# Allegro board FEE5_10_30.brd (continued)
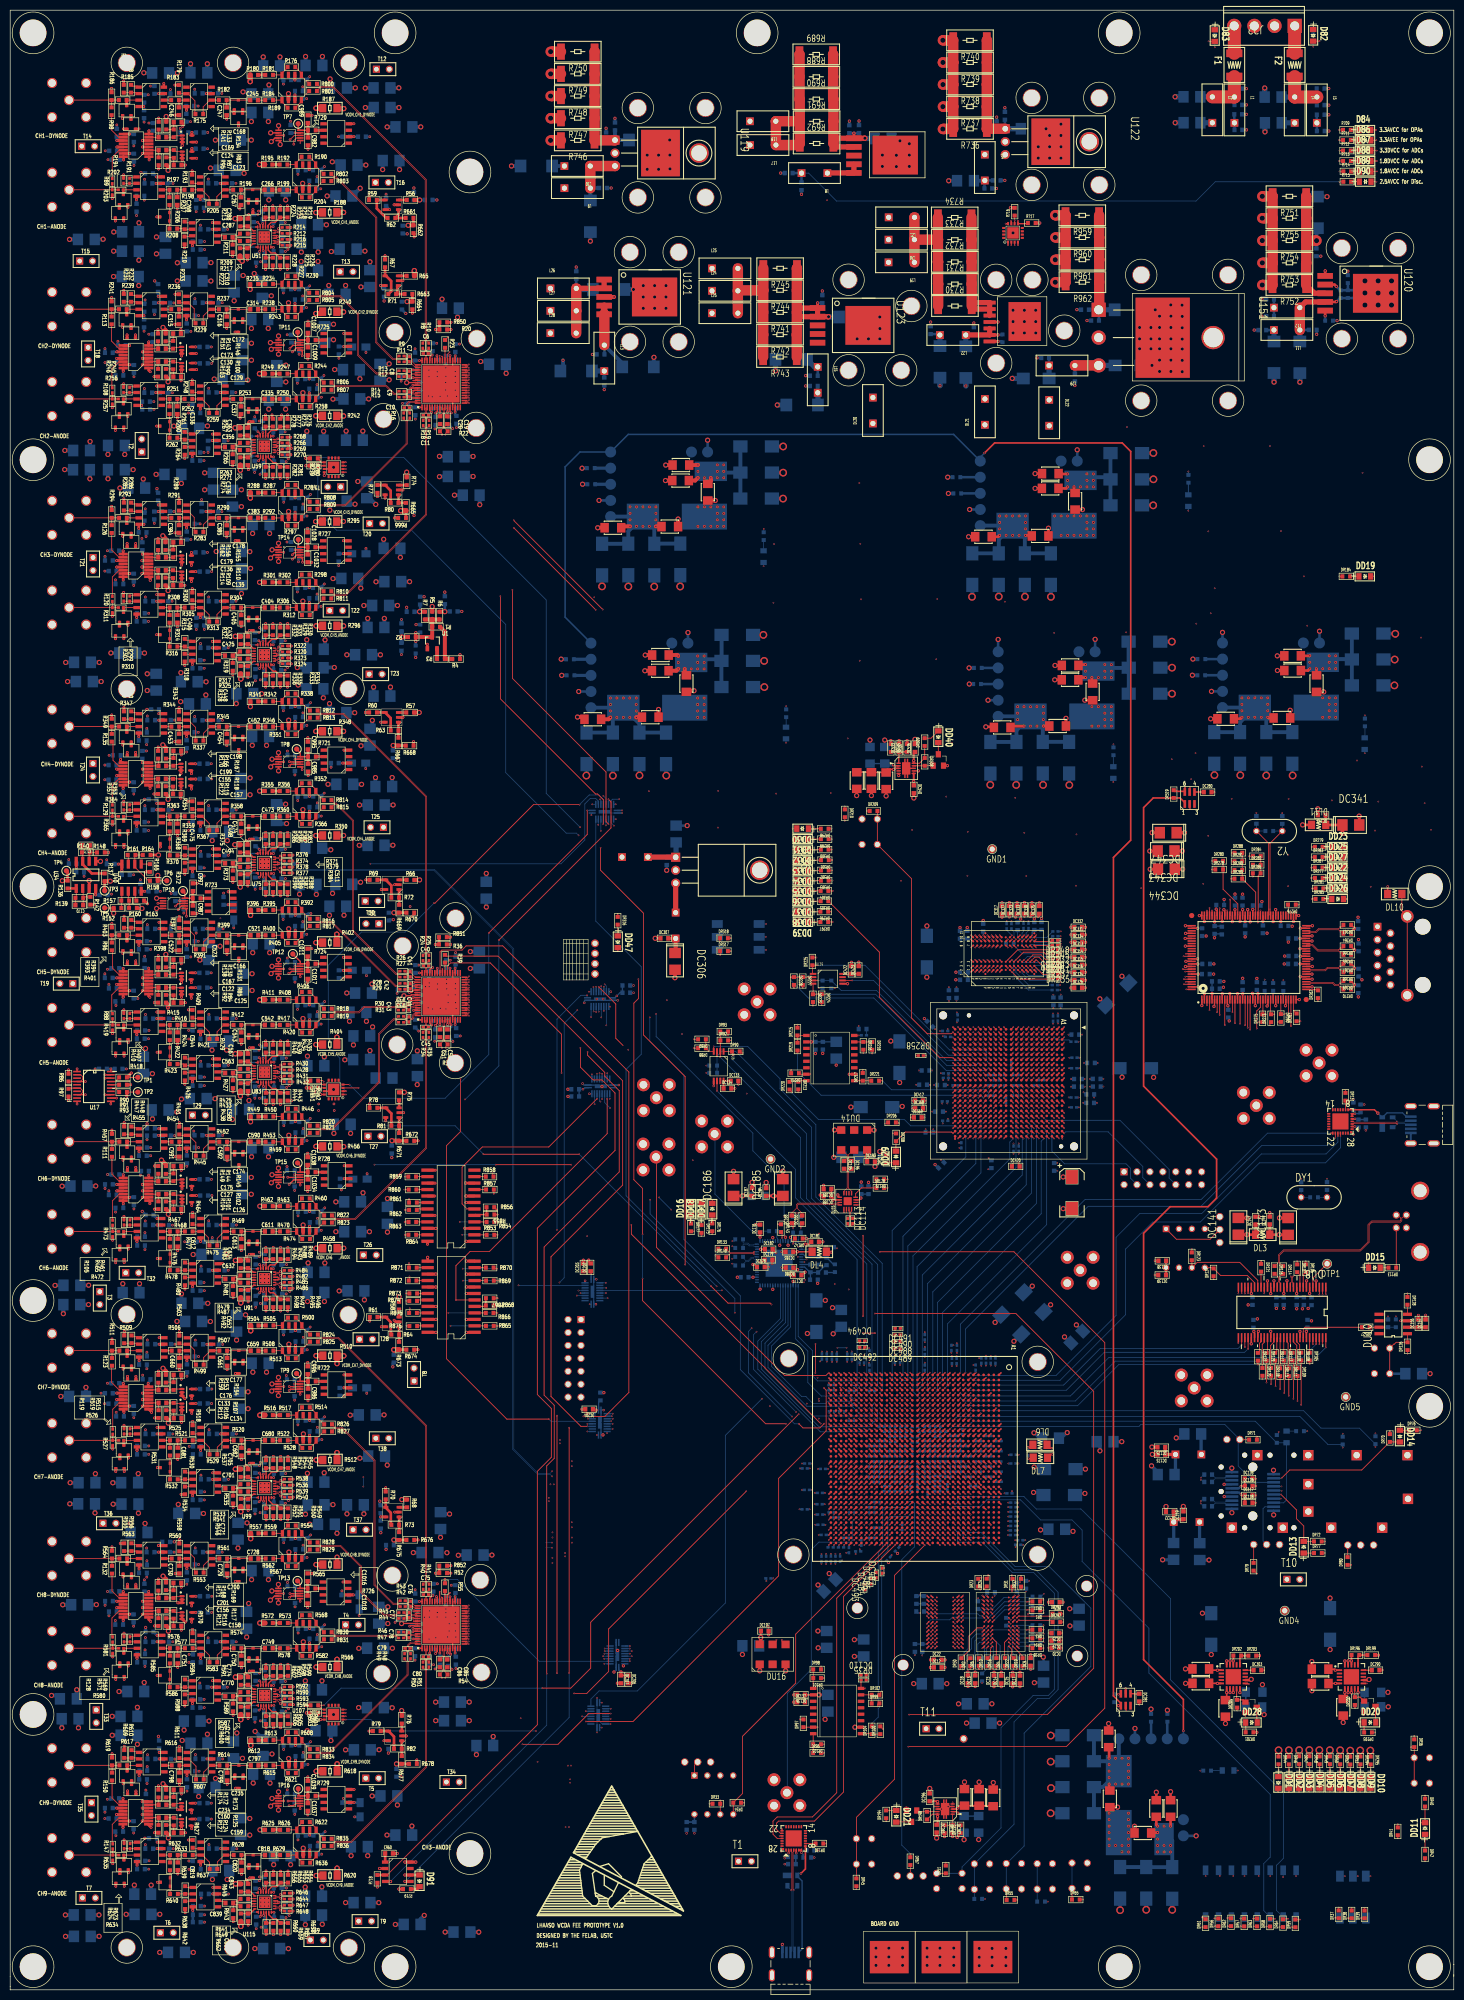
[diagram p0: board, top side]
## Routing (per net, layer and track width the routed paths; a pad name or vN(x,y) marks a point on that pad's centre or on a via; arc(x,y) is an arc through that point) (continued)
ADC_P_DCO2: length 168.3
  TOP w0.102: U3.24 89.39,194.7 89.97,194.7 v1(90.12,194.86) ; v1(163.79,93.32) DU4.AL28
  S4 w0.102: v1(105.81,96.62) 105.58,96.39 103.35,96.39 94.42,105.32 94.42,160.21 94.4,160.22 94.4,160.52 94.42,160.53 94.42,191.41 91.15,194.67 90.31,194.67 v1(90.12,194.86)
  S5 w0.102: v1(105.81,96.62) 106,96.43 147.65,96.43 151.14,92.93 163.4,92.93 v1(163.79,93.32)
ADC_P_DCO3: length 88.1
  TOP w0.102: U4.24 89.38,71.28 89.93,71.28 90.05,71.4 v1(90.07,71.4) ; 167.85,92.38 167.81,92.34 ; 167.85,92.38 DU4.AG29 ; 167.85,92.38 v1(167.83,92.38)
  S3 w0.102: v1(90.07,71.4) 90.21,71.26 90.74,71.26 125.16,71.26 145.86,91.96 167.41,91.96 v1(167.83,92.38)
ADC_P_FCO1: length 242.7
  TOP w0.102: v1(90.12,316.14) 90.11,316.14 89.92,315.95 89.39,315.95 U2.26 ; DU4.AJ6 166.22,115.77 v1(165.86,116.13)
  S5 w0.102: v1(90.12,316.14) 90.34,315.92 92.46,315.92 103.17,305.21 103.17,164.43 149.8,117.81 163.87,117.81 164.31,117.37 164.31,117.15 164.86,116.59 165.4,116.59 v1(165.86,116.13)
ADC_P_FCO2: length 168.4
  TOP w0.102: v1(90.13,195.83) 90.01,195.71 89.37,195.71 U3.26 ; v1(163.82,91.29) 164.22,91.69 DU4.AL30
  S4 w0.102: v1(90.13,195.83) 90.24,195.71 92.75,195.71 92.93,195.71 96.77,191.87 96.77,106.81 107.69,95.89 130.48,95.89 134.44,91.93 162.96,91.93 163.6,91.29 v1(163.82,91.29)
ADC_P_FCO3: length 87
  TOP w0.102: DU4.AH28 167.22,93.74 166.82,93.34 v1(166.82,93.33) ; v1(90.07,72.4) 90.05,72.4 89.92,72.28 89.38,72.28 U4.26
  S3 w0.102: v1(166.82,93.33) 166.43,92.95 159.89,92.95 159.86,92.92 142.33,92.92 121.67,72.26 90.21,72.26 90.2,72.27 v1(90.07,72.4)
ADCIN_ANODE_N_CH1: length 42.9
  TOP w0.102: R9.2 76.31,320.82 75.85,320.36 75.19,320.36 72.03,323.52 72.03,348.06 64.09,356 63.66,356 63.09,356.57 R802.2
ADCIN_ANODE_N_CH2: length 14.3
  TOP w0.102: R14.2 76.33,313.91 75.89,313.47 75.49,313.47 73.96,315 63.71,315 R806.2
ADCIN_ANODE_N_CH3: length 42.9
  TOP w0.102: R18.2 81.13,307.14 81.6,306.68 81.6,289.74 65.92,274.05 63.66,274.05 R810.2
ADCIN_ANODE_N_CH4: length 40.4
  TOP w0.102: R26.2 76.08,199.57 75.87,199.57 67.48,207.96 67.48,229.61 64.06,233.04 63.68,233.04 63.12,233.59 R814.2
ADCIN_ANODE_N_CH5: length 14
  TOP w0.102: R818.2 63.17,192.56 63.68,192.05 68.44,192.05 69.51,193.12 75.72,193.12 76.16,193.56 R30.2
ADCIN_ANODE_N_CH6: length 46.3
  TOP w0.102: R822.2 63.79,151.47 67.72,151.47 81.59,165.34 81.59,186.49 81.1,186.98 R34.2
ADCIN_ANODE_N_CH7: length 42.5
  TOP w0.102: R43.2 76.09,75.92 75.27,75.92 71.68,79.52 71.68,103.99 65.22,110.44 63.8,110.44 63.21,111.03 R826.2
ADCIN_ANODE_N_CH8: length 13.8
  TOP w0.102: R46.2 76.28,70.02 75.9,69.63 63.74,69.63 R830.2
ADCIN_ANODE_N_CH9: length 44.6
  TOP w0.102: R50.2 81.1,63.32 81.61,62.81 81.61,43.81 66.88,29.08 63.7,29.08 63.15,29.63 R835.2
ADCIN_ANODE_P_CH1: length 42.8
  TOP w0.102: R803.2 63.6,355.69 64.09,355.69 71.81,347.97 71.81,323.43 75.1,320.14 75.87,320.14 76.34,319.67 R11.2
ADCIN_ANODE_P_CH2: length 14.4
  TOP w0.102: R807.2 63.12,314.22 63.69,314.79 73.87,314.79 75.4,313.26 75.83,313.26 76.34,312.74 R15.2
ADCIN_ANODE_P_CH3: length 43.3
  TOP w0.102: R811.2 63.09,273.21 63.19,273.31 63.19,273.35 63.68,273.84 66.01,273.84 81.81,289.65 81.81,306.69 R19.2
ADCIN_ANODE_P_CH4: length 40.4
  TOP w0.102: R815.2 63.73,232.82 63.97,232.82 67.27,229.52 67.27,207.87 75.78,199.35 76.02,199.35 76.51,198.86 R27.2
ADCIN_ANODE_P_CH5: length 14
  TOP w0.102: R819.2 63.17,191.29 63.71,191.83 68.53,191.83 69.6,192.9 75.67,192.9 76.19,192.38 R31.2
ADCIN_ANODE_P_CH6: length 46.6
  TOP w0.102: R823.2 63.23,150.66 63.83,151.25 67.81,151.25 81.8,165.25 81.8,186.49 82.26,186.94 R35.2
ADCIN_ANODE_P_CH7: length 42.5
  TOP w0.102: R42.2 76.15,75.7 75.18,75.7 71.46,79.43 71.46,103.9 65.13,110.23 63.75,110.23 63.22,109.69 R827.2
ADCIN_ANODE_P_CH8: length 13.6
  TOP w0.102: R831.2 63.16,68.86 63.72,69.42 76,69.42 76.29,69.12 R47.2
ADCIN_ANODE_P_CH9: length 44.9
  TOP w0.102: R836.2 63.14,28.31 63.7,28.86 66.97,28.86 81.82,43.72 81.82,62.81 82.25,63.24 R51.2
ADCIN_DYNODE_N_CH1: length 61.6
  TOP w0.102: R10.2 82.22,323.43 81.74,323.91 81.74,324.03 81.74,324.12 81.74,355.48 63.52,373.7 61.11,373.7 60.84,373.7 60.28,374.27 R800.2
ADCIN_DYNODE_N_CH2: length 27.5
  TOP w0.102: R804.2 60.85,332.65 64.87,332.65 68.41,329.1 68.41,321.08 72,317.49 75.87,317.49 76.31,317.93 R13.2
ADCIN_DYNODE_N_CH3: length 27.9
  TOP w0.102: R808.2 60.35,292.17 60.91,291.6 65.75,291.6 77.77,303.63 77.77,308.03 77.31,308.5 R17.2
ADCIN_DYNODE_N_CH4: length 59.8
  TOP w0.102: R812.2 60.99,250.62 65.55,250.62 81.82,234.35 81.82,203.61 82.26,203.17 R25.2
ADCIN_DYNODE_N_CH5: length 21.8
  TOP w0.102: R28.2 76.44,197.63 76.02,197.21 75.74,197.21 63.23,209.73 60.97,209.73 R816.2
ADCIN_DYNODE_N_CH6: length 30.8
  TOP w0.102: R32.2 75.8,190.67 75.28,190.67 72.35,187.74 72.35,178.26 63.18,169.09 60.98,169.09 R820.2
ADCIN_DYNODE_N_CH7: length 60.1
  TOP w0.102: R824.2 60.44,128.64 61,128.08 64.54,128.08 81.83,110.79 81.83,80.14 82.29,79.68 R41.2
ADCIN_DYNODE_N_CH8: length 25
  TOP w0.102: R45.2 76.3,74.08 75.84,73.62 73.54,73.62 69,78.16 69,83.2 64.95,87.26 60.93,87.26 60.38,87.81 R828.2
ADCIN_DYNODE_N_CH9: length 27.5
  TOP w0.102: R49.2 77.48,64.89 77.95,64.41 77.95,61.88 62.73,46.66 60.94,46.66 60.39,47.21 R833.2
ADCIN_DYNODE_P_CH1: length 61.3
  TOP w0.102: R801.2 60.26,372.9 60.84,373.49 61.11,373.49 63.43,373.49 81.52,355.39 81.52,324.12 81.52,324.03 81.52,323.91 81.05,323.44 R8.2
ADCIN_DYNODE_P_CH2: length 27.5
  TOP w0.102: R12.2 75.86,317.27 71.91,317.27 68.19,320.99 68.19,329.02 64.78,332.43 60.87,332.43 R805.2
ADCIN_DYNODE_P_CH3: length 28.2
  TOP w0.102: R809.2 60.35,290.83 60.91,291.39 65.84,291.39 77.99,303.54 77.99,308.02 78.49,308.52 R16.2
ADCIN_DYNODE_P_CH4: length 59.5
  TOP w0.102: R24.2 81.1,203.13 81.61,203.64 81.61,234.26 65.46,250.4 60.97,250.4 60.41,249.83 R813.2
ADCIN_DYNODE_P_CH5: length 21.8
  TOP w0.102: R29.2 76.52,196.47 75.99,196.99 75.65,196.99 63.14,209.51 60.96,209.51 60.39,208.94 R817.2
ADCIN_DYNODE_P_CH6: length 30.9
  TOP w0.102: R821.2 60.38,168.33 60.93,168.88 63.27,168.88 72.57,178.17 72.57,187.65 75.37,190.46 75.8,190.46 75.8,190.46 R33.2
ADCIN_DYNODE_P_CH7: length 59.8
  TOP w0.102: R825.2 60.44,127.33 60.98,127.86 64.45,127.86 81.61,110.7 81.61,80.17 81.13,79.69 R40.2
ADCIN_DYNODE_P_CH8: length 25
  TOP w0.102: R829.2 60.38,86.47 60.94,87.04 64.86,87.04 68.79,83.11 68.79,78.07 73.45,73.41 75.82,73.41 76.31,72.92 R44.2
ADCIN_DYNODE_P_CH9: length 27.8
  TOP w0.102: R834.2 60.99,46.44 62.82,46.44 78.17,61.79 78.17,64.42 78.65,64.9 R48.2
ADCOUT_ANODE_N_CH1: length 241.1
  TOP w0.102: v1(163.79,119.19) 163.79,119.18 DU4.AL3 ; U2.29 89.39,317.72 89.9,317.72 v1(90.12,317.5)
  S5 w0.102: v1(90.12,317.5) 90.31,317.68 90.51,317.69 95.54,317.69 106.03,307.2 106.03,165.08 151.55,119.57 163.74,119.57 163.88,119.42 163.88,119.28 v1(163.79,119.19)
ADCOUT_ANODE_N_CH2: length 239.7
  TOP w0.102: U2.21 89.4,313.73 89.99,313.73 v1(90.13,313.59) ; DU4.AM5 163.22,116.96 v1(162.98,117.2)
  S4 w0.102: v1(90.13,313.59) 90.26,313.72 97.89,313.72 104.88,306.72 104.88,163.55 150.88,117.55 162.63,117.55 v1(162.98,117.2)
ADCOUT_ANODE_N_CH3: length 241.4
  TOP w0.102: v1(161.83,111.13) 162.2,110.75 DU4.AN11 ; U2.17 89.4,311.73 90,311.73 v1(90.14,311.58)
  S4 w0.102: v1(161.83,111.13) 162.05,111.35 162.05,111.49 161.95,111.59 153.01,111.59 102.51,162.09 102.51,306.2 96.95,311.76 90.31,311.76 v1(90.14,311.58)
ADCOUT_ANODE_N_CH4: length 165.6
  TOP w0.102: U3.29 89.39,197.47 89.86,197.47 90.1,197.22 v1(90.11,197.22) ; DU4.AN27 v1(161.79,94.32)
  S5 w0.102: v1(161.79,94.32) 162.07,94.32 162.2,94.46 162.2,94.6 162.09,94.72 153.74,94.72 144.25,104.21 104.82,104.21 97.26,111.77 97.26,194.74 94.55,197.45 90.54,197.45 90.34,197.45 90.33,197.45 v1(90.11,197.22)
ADCOUT_ANODE_N_CH5: length 158.9
  TOP w0.102: v1(90.14,193.28) 89.94,193.47 89.4,193.47 U3.21 ; DU4.AL27 v1(163.79,94.32)
  S1 w0.102: v1(90.14,193.28) 90.35,193.49 90.71,193.49 90.86,193.34 90.86,122.82 106.15,107.53 107.77,107.53 v1(107.99,107.3)
  S4 w0.102: v1(163.79,94.32) 164.09,94.32 164.19,94.42 164.19,94.62 164.06,94.74 141.47,94.74 128.67,107.55 108.24,107.55 v1(107.99,107.3)
ADCOUT_ANODE_N_CH6: length 171.5
  TOP w0.102: v1(90.12,191.29) 89.93,191.48 89.4,191.48 U3.17 ; DU4.AK32 v1(164.79,89.32)
  S4 w0.102: v1(90.12,191.29) 90.32,191.48 90.91,191.48 91.79,190.6 91.79,103.25 105.81,89.24 106.13,89.24 106.52,88.84 v1(106.52,88.82)
  S5 w0.102: v1(164.79,89.32) 165.05,89.32 165.15,89.42 165.15,89.61 165.03,89.73 147.35,89.73 146.84,89.21 106.91,89.21 v1(106.52,88.82)
  BOTTOM w0.102: v1(106.52,88.82) 106.51,88.82 106.51,88.82
ADCOUT_ANODE_N_CH7: length 90.4
  TOP w0.102: U4.29 89.39,74.05 89.85,74.05 89.99,73.91 v1(90.07,73.91) ; DU4.AH24 v1(166.79,97.32)
  S3 w0.102: v1(166.79,97.32) 166.79,97.36 167.18,97.75 167.18,98.49 166.92,98.75 140.45,98.75 115.75,74.05 90.77,74.05 90.2,74.05 v1(90.07,73.91)
ADCOUT_ANODE_N_CH8: length 87.1
  TOP w0.102: DU4.AH32 167.22,89.64 v1(166.86,89.29) ; v1(90.07,69.91) 90.01,69.91 89.88,70.04 89.39,70.04 U4.21
  S3 w0.102: v1(90.07,69.91) 90.07,69.91 90.22,70.05 128.55,70.05 148.24,89.75 166.83,89.75 167.01,89.57 167.01,89.43 v1(166.86,89.29)
ADCOUT_ANODE_N_CH9: length 93.4
  TOP w0.102: DU4.AF30 168.84,91.37 v1(168.79,91.37) ; U4.17 89.4,68.05 89.92,68.05 v1(90.07,67.91)
  S3 w0.102: v1(168.79,91.37) 168.79,91.14 169.39,90.54 169.39,86.87 165.46,82.94 150.36,82.94 135.46,68.05 90.75,68.05 90.41,68.05 90.41,68.05 90.21,68.05 v1(90.07,67.91)
ADCOUT_ANODE_P_CH1: length 241.9
  TOP w0.102: U2.30 89.41,317.93 89.99,317.93 90.12,318.07 v1(90.13,318.07) ; v1(164.79,119.19) DU4.AK3
  S5 w0.102: v1(164.79,119.19) 164.19,119.79 151.64,119.79 106.25,165.17 106.25,307.29 95.63,317.9 90.5,317.9 90.3,317.9 v1(90.13,318.07)
ADCOUT_ANODE_P_CH2: length 240.7
  TOP w0.102: v1(90.11,314.1) 89.96,313.95 89.4,313.95 U2.22 ; v1(163.65,117.18) 164.08,116.75 DU4.AL5
  S4 w0.102: v1(163.65,117.18) 163.07,117.76 150.97,117.76 105.1,163.64 105.1,306.81 97.98,313.93 90.28,313.93 90.28,313.93 v1(90.11,314.1)
ADCOUT_ANODE_P_CH3: length 242
  TOP w0.102: v1(90.14,312.15) 89.93,311.94 89.4,311.94 U2.18 ; DU4.AM11 163.22,110.79 v1(162.86,111.15)
  S4 w0.102: v1(90.14,312.15) 90.32,311.97 97.04,311.97 102.73,306.29 102.73,162.18 153.1,111.81 162.14,111.81 162.8,111.15 v1(162.86,111.15)
ADCOUT_ANODE_P_CH4: length 165.8
  TOP w0.102: DU4.AM27 v1(162.79,94.32) ; U3.30 89.4,197.69 89.91,197.69 v1(90.1,197.89)
  S5 w0.102: v1(90.1,197.89) 90.33,197.66 90.53,197.67 94.64,197.67 97.47,194.83 97.47,111.86 104.91,104.43 144.34,104.43 153.83,94.94 162.18,94.94 v1(162.79,94.32)
ADCOUT_ANODE_P_CH5: length 159
  TOP w0.102: U3.22 89.39,193.69 89.89,193.69 90.11,193.91 v1(90.14,193.91) ; DU4.AK27 v1(164.79,94.32)
  S1 w0.102: v1(90.14,193.91) 90.35,193.7 90.8,193.7 91.07,193.43 91.07,122.91 106.24,107.74 107.77,107.74 v1(107.99,107.97)
  S4 w0.102: v1(164.79,94.32) 164.15,94.96 141.56,94.96 128.76,107.76 108.2,107.76 v1(107.99,107.97)
ADCOUT_ANODE_P_CH6: length 171.6
  TOP w0.102: DU4.AJ31 v1(165.79,90.32) ; v1(90.12,191.89) 89.93,191.69 89.39,191.69 U3.18
  S4 w0.102: v1(90.12,191.89) 90.32,191.7 91,191.7 92.01,190.69 92.01,103.34 105.9,89.45 106.08,89.45 106.44,89.82 v1(106.52,89.82)
  S5 w0.102: v1(106.52,89.82) 106.91,89.43 146.75,89.43 147.26,89.94 165.41,89.94 v1(165.79,90.32)
ADCOUT_ANODE_P_CH7: length 90.7
  TOP w0.102: v1(90.07,74.41) 90.03,74.41 89.9,74.27 89.39,74.27 U4.30 ; DU4.AG24 v1(167.79,97.32)
  S3 w0.102: v1(90.07,74.41) 90.21,74.26 90.77,74.26 115.66,74.26 140.36,98.96 167.01,98.96 167.39,98.58 167.39,97.72 v1(167.79,97.32)
ADCOUT_ANODE_P_CH8: length 87.9
  TOP w0.102: U4.22 89.41,70.25 89.91,70.25 v1(90.07,70.41) ; v1(167.87,89.27) 168.22,89.62 DU4.AG32
  S3 w0.102: v1(167.87,89.27) 167.62,89.27 166.92,89.97 148.15,89.97 128.46,70.27 90.21,70.27 v1(90.07,70.41)
ADCOUT_ANODE_P_CH9: length 94.3
  TOP w0.102: v1(168.84,92.43) 168.89,92.43 DU4.AF29 ; v1(90.07,68.41) 89.92,68.27 89.4,68.27 U4.18
  S3 w0.102: v1(168.84,92.43) 168.82,92.43 168.42,92.03 168.42,91.8 168.42,91.2 169.17,90.45 169.17,86.96 165.37,83.16 150.27,83.16 135.37,68.27 90.77,68.27 90.77,68.27 90.5,68.27 90.21,68.27 v1(90.07,68.41)
ADCOUT_DYNODE_N_CH1: length 237.9
  TOP w0.102: v1(161.79,120.19) 161.79,120.19 DU4.AN2 ; U2.31 89.41,318.73 89.88,318.73 v1(90.11,318.5)
  S5 w0.102: v1(90.11,318.5) 90.34,318.73 98.71,318.73 107.48,309.96 107.48,261.84 107.32,261.68 107.32,260.91 107.48,260.74 107.48,258.56 107.42,258.49 107.42,257.73 107.48,257.66 107.48,170.52 150.81,127.2 154.16,127.2 160.22,121.14 160.22,120.95 160.55,120.61 160.74,120.61 161.77,120.61 161.9,120.49 161.9,120.29 v1(161.79,120.19)
ADCOUT_DYNODE_N_CH2: length 239.5
  TOP w0.102: U2.27 89.4,316.72 89.97,316.72 v1(90.12,316.58) ; v1(163,118.24) 163.22,118.02 DU4.AM4
  S5 w0.102: v1(163,118.24) 163,118.44 162.9,118.54 150.77,118.54 104.47,164.84 104.47,305.96 93.72,316.71 90.26,316.71 v1(90.12,316.58)
ADCOUT_DYNODE_N_CH3: length 244.7
  TOP w0.102: DU4.AK11 v1(164.79,111.19) ; U2.19 89.39,312.71 90.01,312.71 v1(90.14,312.58)
  S5 w0.102: v1(164.79,111.19) 165.04,111.19 165.19,111.33 165.19,111.48 165.06,111.61 148.52,111.61 100.04,160.08 100.04,303.5 90.82,312.72 90.27,312.72 v1(90.14,312.58)
ADCOUT_DYNODE_N_CH4: length 164.8
  TOP w0.102: v1(90.12,198.35) 90.01,198.35 89.89,198.48 89.4,198.48 U3.31 ; v1(161.79,95.32) DU4.AN26
  S5 w0.102: v1(161.79,95.32) 161.79,95.66 161.7,95.75 154.88,95.75 144.4,106.23 105.16,106.23 98.64,112.74 98.64,195.48 95.55,198.57 90.35,198.57 v1(90.12,198.35)
ADCOUT_DYNODE_N_CH5: length 169.2
  TOP w0.102: U3.27 89.39,196.47 89.94,196.47 90.05,196.35 v1(90.11,196.35) ; DU4.AP31 v1(160.79,90.32)
  S5 w0.102: v1(90.11,196.35) 90.18,196.35 90.31,196.48 93.7,196.48 96.36,193.82 96.36,103.45 106.95,92.85 142.66,92.85 144.98,90.53 160.58,90.53 v1(160.79,90.32)
ADCOUT_DYNODE_N_CH6: length 167.7
  TOP w0.102: U3.19 89.39,192.47 89.98,192.47 v1(90.13,192.32) ; DU4.AN32 v1(161.79,89.32)
  S4 w0.102: v1(161.79,89.32) 161.89,89.32 161.99,89.42 161.99,89.62 161.89,89.72 130.97,89.72 129.48,91.21 110.73,91.21 v1(110.33,90.82)
  S5 w0.102: v1(110.33,90.82) 109.94,91.21 105.78,91.21 94.22,102.76 94.22,160.09 94.19,160.13 94.19,160.61 94.22,160.65 94.22,189.35 91.09,192.48 90.29,192.48 v1(90.13,192.32)
ADCOUT_DYNODE_N_CH7: length 93.8
  TOP w0.102: v1(90.09,74.86) 89.9,75.05 89.39,75.05 U4.31 ; DU4.AF23 v1(168.79,98.32)
  S3 w0.102: v1(168.79,98.32) 169.18,98.71 169.18,100.44 168.9,100.73 138.16,100.73 112.48,75.04 90.27,75.04 v1(90.09,74.86)
ADCOUT_DYNODE_N_CH8: length 90.2
  TOP w0.102: DU4.AG25 v1(167.79,96.32) ; v1(90.07,72.9) 90.03,72.9 89.91,73.03 89.38,73.03 U4.27
  S3 w0.102: v1(167.79,96.32) 168.07,96.32 168.21,96.46 168.21,96.6 168.08,96.73 142.35,96.73 118.66,73.04 90.75,73.04 90.2,73.04 v1(90.07,72.9)
ADCOUT_DYNODE_N_CH9: length 87.3
  TOP w0.102: v1(90.07,68.91) 89.97,68.91 89.84,69.04 89.39,69.04 U4.19 ; DU4.AG34 v1(167.79,87.32)
  S3 w0.102: v1(167.79,87.32) 167.79,87.53 167.6,87.72 150.78,87.72 132.11,69.04 90.75,69.04 90.2,69.04 v1(90.07,68.91)
ADCOUT_DYNODE_P_CH1: length 238.7
  TOP w0.102: v1(162.79,120.19) DU4.AM2 ; U2.32 89.4,318.94 89.89,318.94 v1(90.11,319.16)
  S5 w0.102: v1(90.11,319.16) 90.32,318.95 90.33,318.95 90.34,318.95 98.8,318.95 107.7,310.05 107.7,261.75 107.53,261.59 107.53,261 107.7,260.83 107.7,258.47 107.64,258.4 107.64,257.82 107.7,257.75 107.7,170.61 150.9,127.41 154.25,127.41 160.43,121.22 160.43,121.04 160.64,120.83 160.83,120.83 162.14,120.83 v1(162.79,120.19)
ADCOUT_DYNODE_P_CH2: length 240.3
  TOP w0.102: DU4.AL4 164.16,117.75 v1(163.67,118.24) ; U2.28 89.4,316.94 90,316.94 v1(90.12,317.06)
  S5 w0.102: v1(163.67,118.24) 163.15,118.76 150.86,118.76 104.69,164.93 104.69,306.05 93.81,316.93 90.26,316.93 v1(90.12,317.06)
ADCOUT_DYNODE_P_CH3: length 244.9
  TOP w0.102: v1(90.13,313.09) 89.98,312.94 89.41,312.94 U2.20 ; DU4.AJ11 v1(165.79,111.19)
  S5 w0.102: v1(90.13,313.09) 90.14,313.09 90.29,312.93 90.91,312.93 100.25,303.59 100.25,160.17 148.61,111.82 165.15,111.82 165.41,111.57 165.79,111.19 v1(165.79,111.19)
ADCOUT_DYNODE_P_CH4: length 165.8
  TOP w0.102: v1(162.78,95.32) 163.21,95.75 DU4.AM26 ; U3.32 89.4,198.69 89.87,198.69 90.13,198.95 v1(90.13,199.01)
  S5 w0.102: v1(90.13,199.01) 90.35,198.79 95.64,198.79 98.86,195.57 98.86,112.83 105.25,106.44 144.49,106.44 154.97,95.97 161.79,95.97 162.44,95.32 v1(162.78,95.32)
ADCOUT_DYNODE_P_CH5: length 170.3
  TOP w0.102: U3.28 89.4,196.68 89.94,196.68 89.96,196.7 90.03,196.7 90.11,196.79 v1(90.12,196.79) ; DU4.AN31 v1(161.79,90.32)
  S5 w0.102: v1(161.79,90.32) 161.37,90.75 145.07,90.75 142.75,93.07 107.04,93.07 96.57,103.54 96.57,193.91 93.79,196.69 90.29,196.69 90.21,196.7 v1(90.12,196.79)
ADCOUT_DYNODE_P_CH6: length 168.1
  TOP w0.102: U3.20 89.4,192.69 89.83,192.69 89.99,192.85 v1(90.12,192.85) ; DU4.AM31 v1(162.79,90.32)
  S4 w0.102: v1(110.33,91.81) 110.71,91.43 129.57,91.43 131.06,89.93 162.4,89.93 v1(162.79,90.32)
  S5 w0.102: v1(110.33,91.81) 109.94,91.42 105.87,91.42 94.44,102.85 94.44,160.18 94.4,160.22 94.4,160.52 94.44,160.56 94.44,189.44 91.18,192.7 90.29,192.7 90.28,192.7 v1(90.12,192.85)
  BOTTOM w0.102: 110.32,91.82 v1(110.33,91.81)
ADCOUT_DYNODE_P_CH7: length 94.2
  TOP w0.102: v1(90.1,75.47) 89.89,75.26 89.4,75.26 U4.32 ; DU4.AE23 v1(169.79,98.32)
  S3 w0.102: v1(169.79,98.32) 169.4,98.72 169.4,100.53 168.99,100.94 138.07,100.94 112.39,75.26 90.28,75.26 90.1,75.45 v1(90.1,75.47)
ADCOUT_DYNODE_P_CH8: length 90.4
  TOP w0.102: v1(90.07,73.41) 90.05,73.41 89.9,73.26 89.4,73.26 U4.28 ; DU4.AF25 v1(168.79,96.32)
  S3 w0.102: v1(90.07,73.41) 90.22,73.25 90.75,73.25 118.57,73.25 142.26,96.94 168.17,96.94 168.42,96.69 v1(168.79,96.32)
ADCOUT_DYNODE_P_CH9: length 88.3
  TOP w0.102: DU4.AF34 v1(168.79,87.32) ; U4.20 89.4,69.26 89.83,69.26 89.98,69.41 v1(90.07,69.41)
  S3 w0.102: v1(168.79,87.32) 168.3,87.32 168.01,87.62 168.01,87.62 167.69,87.93 150.69,87.93 132.02,69.26 90.75,69.26 90.22,69.26 v1(90.07,69.41)
BCLK: length 25.5
  BOTTOM w0.152: DJ12.1 138.44,167.99 138.44,156.25 145.72,148.98 DR132.1
BYPASS: length 7.5
  BOTTOM w0.254: DC171.1 160.15,142.29 DC173.2 157.24,140.85 DC172.2 ; DC172.2 157.2,139.52 DC174.1 ; DC172.2 157.09,140.89 156.06,141.92 DU13.10
CALIB_ANODE_AMP_CH1-4: length 160
  TOP w0.508: v5(10.25,217.79) 10.35,217.79 10.36,217.79 R136.1 11.29,219.48 TP4.1
  TOP w0.762: v5(31.02,357.28) 31.02,357.97 R87.2 ; v5(31.02,274.76) 31.02,275.27 R109.1 ; v5(31.02,315.75) 31.02,316.34 R99.2 ; R115.2 31.02,234.37 v5(31.02,233.75)
  S5 w0.762: v5(31.02,357.28) 31.09,357.21 31.09,315.82 v5(31.02,315.75) 31.06,315.71 31.06,274.81 v5(31.02,274.76) 31.02,274.76 31.02,272.35 31.14,272.22 31.14,233.87 v5(31.02,233.75) 31.02,232.16 29.14,230.28 24.35,230.28 11.86,217.79 v5(10.25,217.79)
CALIB_ANODE_AMP_CH5-9: length 204.1
  TOP w0.508: R137.2 18.55,215.84 TP3.1
  TOP w0.762: R137.2 v5(19.67,217.69) ; v5(31.08,70.43) 31.08,71.03 R116.2 ; R124.2 30.66,30.83 31.07,30.43 31.07,29.83 v5(31.08,29.81) ; v8(30.98,192.85) 30.98,193.47 R84.2 ; R106.2 31.07,111.87 v5(31.07,111.28) ; R101.2 31.06,152.84 v5(31.06,152.27)
  S1 w0.762: v5(31.08,29.81) v5(31.08,70.43) 31.08,70.62 31.07,70.63 v5(31.07,111.28) 31.07,152.27 v5(31.06,152.27) 31.06,192.76 v8(30.98,192.85) 28.1,192.85 18.62,202.33 18.62,216.64 19.67,217.69 v5(19.67,217.69)
CALIB_BEGIN: length 56.6
  TOP w0.152: R97.2 11.59,177.06 U17.6 13.76,177.06 14.23,176.59 14.23,176.2 13.79,175.77
  TOP w0.254: U17.8 14.76,175.77 v3(14.76,175.77)
  S1 w0.152: v3(60.58,172.66) v3(63.66,172.66)
  S2 w0.152: v3(60.58,172.66) 39.63,172.66 35.64,176.65 15.65,176.65 v3(14.76,175.77)
CALIB_BEGIN_BUF: length 78.6
  TOP w0.152: DU4.AB26 v1(172.79,95.32)
  S4 w0.152: v1(172.79,95.32) 172.27,95.84 172.27,98.67 172.12,98.83 148.29,98.83 113.82,133.29 v1(113.82,134.62)
  BOTTOM w0.152: DU21.11 114.12,134.62 v1(113.82,134.62)
CALIB_BGN_CH1-4: length 202.3
  TOP w0.152: R90.1 25.06,179.17 TP1.1
  TOP w0.254: 22.93,179.17 R90.1
  TOP w0.508: U37.4 36.54,321.3 v3(36.55,321.31) ; v3(23.83,180.04) 23.8,180.04 22.93,179.17 ; v3(36.64,359.66) 36.63,359.66 U15.4 ; v3(36.63,362.82) 36.63,362.83 U32.4 ; U38.4 35.6,279.74 v3(35.61,279.73) ; v3(36.61,318.14) 36.61,318.14 U20.4 ; v3(35.61,276.56) 35.59,276.57 U24.4 ; v3(35.6,235.79) 35.6,236.3 U27.4 ; U41.4 35.61,239.28 v3(35.61,238.8)
  S2 w0.508: v3(36.55,321.31) 37.71,321.31 ; 37.71,321.31 37.71,321.3 37.71,319.24 v3(36.61,318.14) 36.61,280.81 35.61,279.81 v3(35.61,279.73) v3(35.61,276.56) 35.06,276.01 35.06,247.7 35.61,247.15 v3(35.61,238.8) 35.61,235.8 v3(35.6,235.79) 35.6,232.49 23.26,220.14 23.26,207.39 23.91,206.73 23.91,200.09 24.33,199.67 24.33,189.22 23.83,188.71 v3(23.83,180.04) ; 37.71,321.31 37.72,321.32 37.72,329.71 37.06,330.36 37.06,344.28 35.62,345.73 35.62,352.8 36.64,353.82 v3(36.64,359.66) 36.64,362.82 v3(36.63,362.82)
CALIB_BGN_CH5-9: length 194
  TOP w0.152: TP2.1 25.07,176.28 R93.2
  TOP w0.508: v3(35.58,197.76) 35.58,198.37 U33.4 ; v3(35.67,116.05) 35.67,116.06 35.67,116.63 U39.4 ; U21.4 35.67,113.75 v3(35.67,113.21) ; R93.2 22.93,175.6 22.93,175.6 v3(22.93,175.49) ; v3(35.67,72.21) 35.65,72.23 U25.4 ; v3(35.67,154.01) 35.67,154.64 U19.4 ; U35.4 35.68,157.81 v3(35.68,157.16) ; U43.4 35.66,35.25 v3(35.66,34.74) ; U42.4 v3(35.66,75.37) ; v3(35.58,194.71) 35.56,194.73 35.56,195.46 U16.4 ; U29.4 35.66,32.12 v3(35.66,31.62)
  S2 w0.508: v3(35.66,31.62) v3(35.66,34.74) 35.66,34.75 35.67,34.76 35.67,55.41 34.42,56.66 34.42,70.96 v3(35.67,72.21) 35.67,75.36 v3(35.66,75.37) 35.67,75.39 35.67,89.75 34.46,90.96 34.46,111.99 v3(35.67,113.21) 35.67,113.33 35.67,113.33 35.67,116.05 v3(35.67,116.05) 35.67,116.05 35.67,125.51 34.99,126.19 34.99,153.33 v3(35.67,154.01) 35.67,157.15 v3(35.68,157.16) 35.67,157.16 35.67,166.12 26.3,175.49 v3(22.93,175.49)
  S4 w0.508: v3(35.58,197.76) v3(35.58,194.71) 35.95,194.34 35.95,183.48 27.96,175.49 v3(22.93,175.49)
CALIB_DYNODE_AMP_CH1-4: length 169.4
  TOP w0.152: R152.1 18.56,212.44 TP5.1
  TOP w0.762: v5(29.99,285.52) 30.51,285 R156.1 ; R166.2 30.62,243.83 v5(29.99,244.46) ; v5(30.65,367.85) 30.67,367.83 R133.2 ; R143.2 30.54,325.89 30.02,326.41 v5(30.02,326.43) ; v5(20.32,211.4) 20.32,211.46 20.32,211.47 R152.1
  S1 w0.762: v5(20.32,211.4) 23.02,214.09 23.02,221.22 29.91,228.11 29.91,244.38 v5(29.99,244.46) 30.25,244.72 30.25,253.85 29.91,254.19 29.91,285.44 v5(29.99,285.52) 29.99,303.49 29.74,303.74 29.74,319.99 30.02,320.27 v5(30.02,326.43) 30,326.43 29.96,326.47 29.96,367.15 v5(30.65,367.85)
CALIB_DYNODE_AMP_CH5-9: length 189.6
  TOP w0.152: R158.2 30.76,217.79 TP6.1
  TOP w0.762: v5(30.03,81.24) 30.62,80.65 R168.2 ; v5(30.03,40.46) 30.63,39.86 R172.2 ; v5(28.99,218.83) 28.99,218.59 28.98,218.59 R158.2 ; v5(30.58,203.32) 30.59,203.31 R130.2 ; R153.2 30.58,121.5 v5(30.02,122.05) ; v5(29.72,162.93) 30.58,162.07 R144.2
  S5 w0.762: v5(30.03,40.46) 30.36,40.79 30.36,51.52 30.03,51.85 v5(30.03,81.24) 30.02,81.24 v5(30.02,122.05) 30.02,126.43 30.05,126.45 30.05,138.52 29.95,138.62 29.95,162.71 v5(29.72,162.93) 30.01,163.22 30.01,202.76 v5(30.58,203.32) 30.58,217.3 29.05,218.83 v5(28.99,218.83)
CALIB_ENB_BUF: length 79.9
  TOP w0.152: DU4.AB27 v1(172.79,94.32)
  S4 w0.152: v1(172.79,94.32) 173.34,94.87 173.34,99.48 173.01,99.8 151.13,99.8 117.35,133.58 v1(117.35,135.83)
  BOTTOM w0.152: DU21.8 v1(117.35,135.83)
CALIB_ENB_CH1-4: length 190.5
  TOP w0.254: U17.18 v3(18.62,179.02)
  TOP w0.508: v3(27.48,235.89) 27.48,236.25 U30.1 ; U22.1 27.22,318.02 v3(27.51,317.73) ; U18.1 27.25,359.86 27.3,359.81 v3(27.3,359.32) ; U28.1 27.3,277.4 27.51,277.18 v8(27.51,276.79)
  S4 w0.508: v3(18.62,179.02) 19.03,179.02 25.86,185.85 25.86,194.34 28.28,196.76 28.28,206.76 27.8,207.24 27.8,213.62 27.63,213.79 27.63,219.71 28.1,220.18 28.1,230.1 27.48,230.72 v3(27.48,235.89) 27.96,236.37 27.96,271.1 27.51,271.55 v8(27.51,276.79) 27.51,276.85 27.51,276.85 v3(27.51,317.73) 28.18,318.4 28.18,326.27 27.29,327.16 27.29,359.32 v3(27.3,359.32)
CALIB_ENB_CH5-9: length 175.8
  TOP w0.254: U17.12 v3(20.91,175.11)
  TOP w0.508: U31.1 27.22,72.71 v3(27.61,72.33) ; U26.1 27.77,113.46 v3(27.77,113.39) ; v3(27.45,194.89) 27.22,195.12 U14.1 ; v3(27.44,154.35) 27.44,154.76 U23.1 ; v3(27.68,31.88) 27.19,32.37 U36.1
  S4 w0.508: v3(27.68,31.88) 27.64,31.93 27.64,72.3 v3(27.61,72.33) 27.67,72.33 28.07,72.73 28.07,107.79 27.58,108.28 27.58,113.19 v3(27.77,113.39) 28.02,113.63 28.02,131.5 27.44,132.07 v3(27.44,154.35) 26.17,154.35 20.91,159.61 v3(20.91,175.11) 20.91,176.14 28.04,183.27 28.04,189.22 27.45,189.82 v3(27.45,194.89)
CALIB_END: length 56.7
  TOP w0.152: U17.2 13.14,179.68 13.87,179.68 14.23,179.32 14.23,178.79 13.8,178.36 ; R86.1 11.46,178.36 U17.4
  TOP w0.254: U17.4 14.75,178.36 14.75,178.36 v3(14.76,178.36)
  S1 w0.152: v3(60.61,173.95) v3(63.6,173.95)
  S2 w0.152: v3(14.76,178.36) 20.58,178.36 20.95,178.74 35.59,178.74 35.61,178.76 36.01,178.76 36.04,178.74 52.04,178.74 56.82,173.95 v3(60.61,173.95)
CALIB_VREF_ANODE: length 23.2